# KiCad board ADC_Test.kicad_pcb (continued)
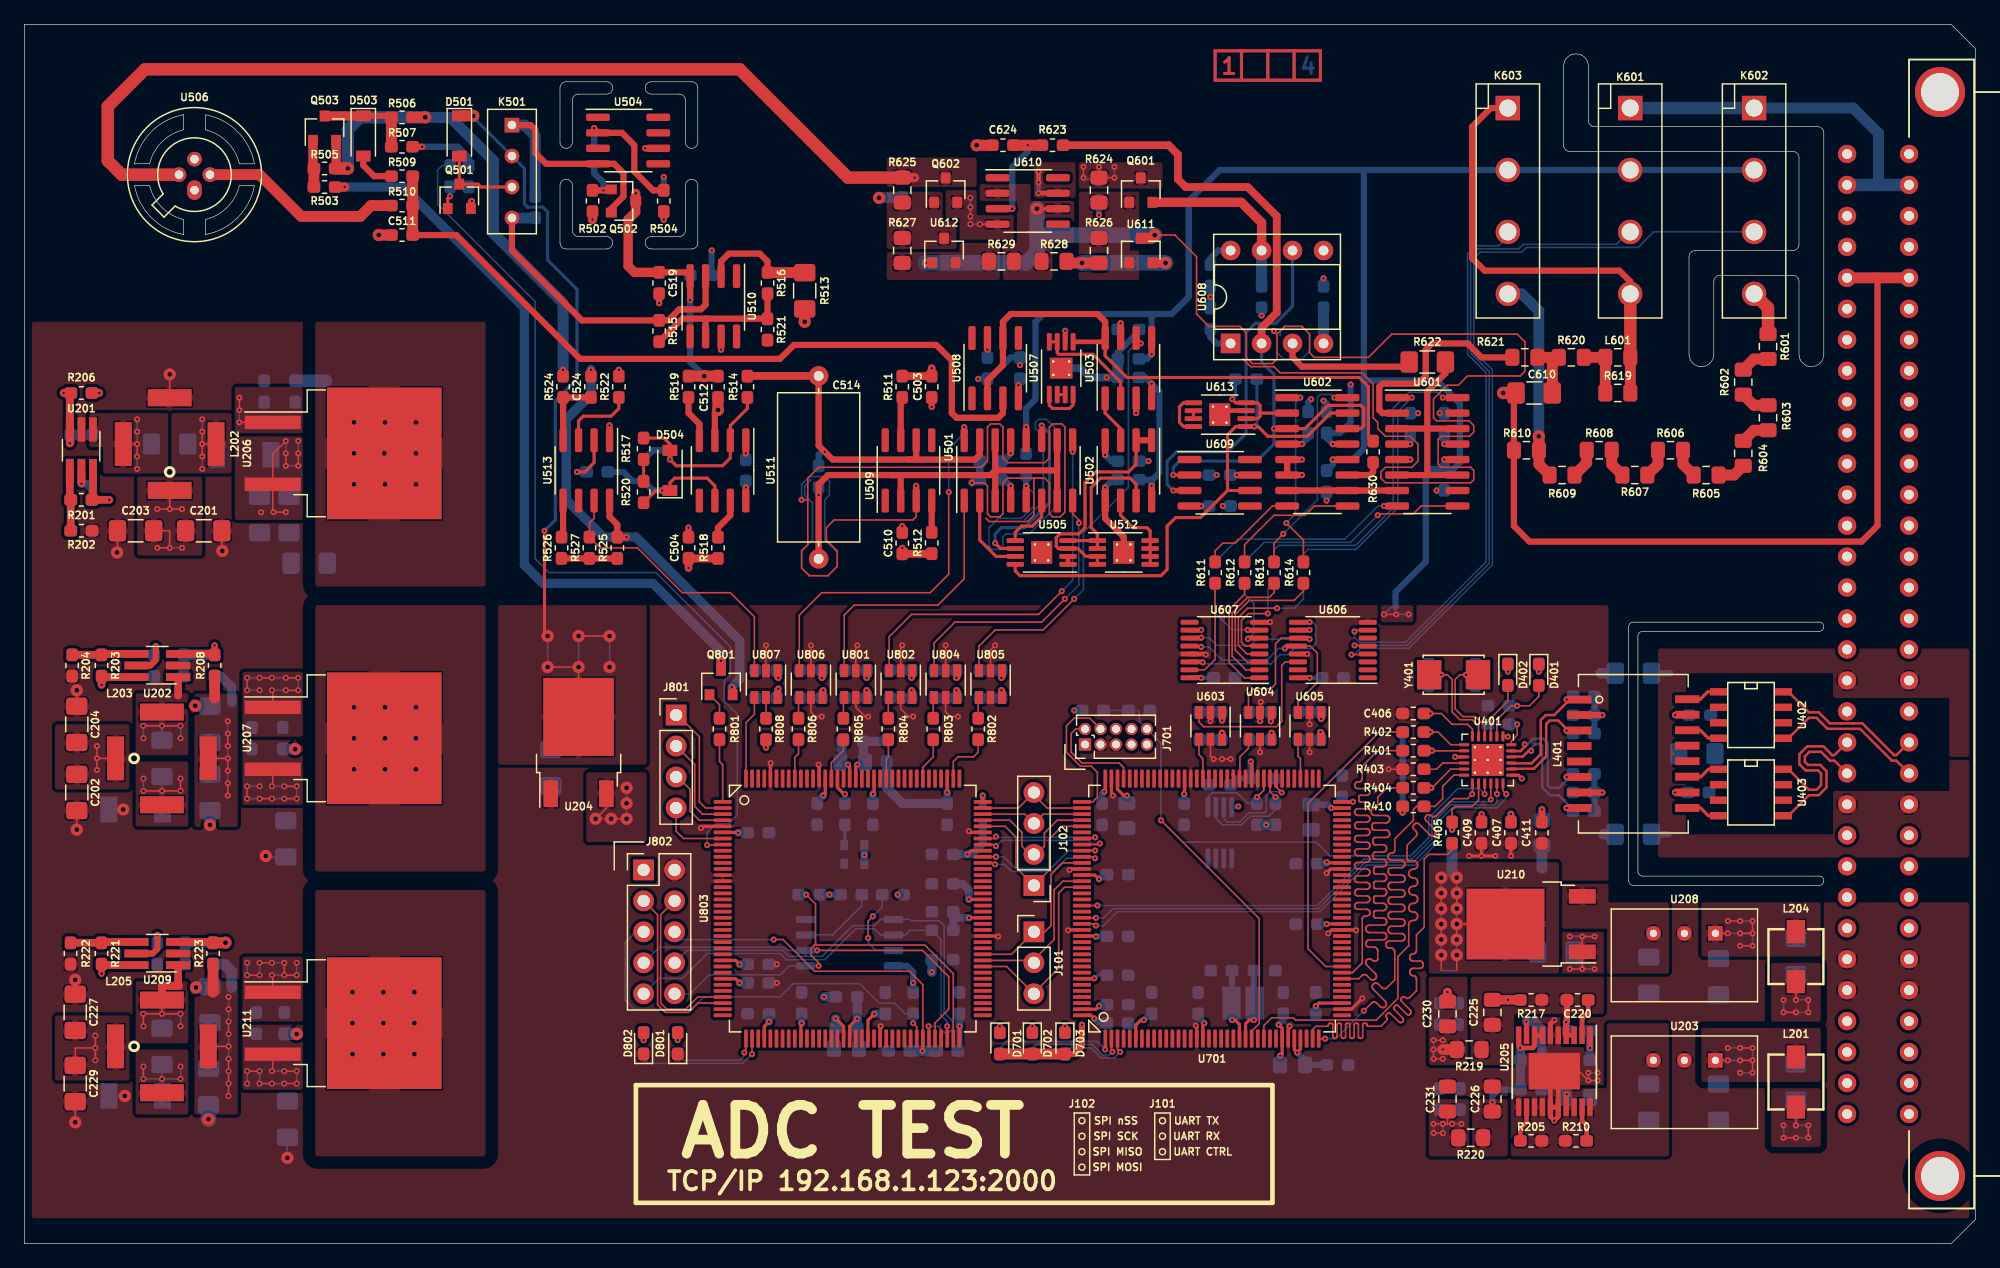
[diagram p0: board, top side]
## Routing (per net, layer and track width the routed paths; a pad name or vN(x,y) marks a point on that pad's centre or on a via; arc(x,y) is an arc through that point) (continued)
Net-(R203-Pad2): length 5.3
  Top w0.635: R204.1 R203.2 6.4,48.37 U202.4
Net-(R205-Pad2): length 3
  Top w0.381: U205.12 123.18,9.96 122.67,9.46 R205.2
Net-(R210-Pad2): length 2.9
  Top w0.381: R210.2 128.11,9.71 127.73,10.09 U205.19
Net-(R211-Pad1): length 4.8
  Top w0.127: U206.1 v1(17.63,67.36) ; v1(17.63,68.37) v1(17.63,69.39)
  Bottom w0.127: v1(17.63,67.36) v1(17.63,68.37)
Net-(R212-Pad1): length 10.8
  Top w0.127: v3(20.3,46.4) v3(19.28,46.4) ; v3(20.3,45.39) 20.36,45.32 U207.1 ; v3(18.27,46.4) v3(18.27,45.39) ; v3(22.46,46.4) v3(21.44,46.4) ; v3(21.44,45.39) v3(22.46,45.39)
  Bottom w0.127: v3(22.46,45.39) v3(22.46,46.4) ; v3(20.3,45.39) v3(21.44,45.39) ; v3(18.27,45.39) v3(19.28,45.39) ; v3(21.44,46.4) v3(20.3,46.4) ; v3(19.28,46.4) v3(18.27,46.4)
Net-(R215-Pad2): length 3.5
  Top w0.381: U205.1 128.38,16.05 v1(128.37,16.05)
  Bottom w0.635: R215.2 R216.2
Net-(R221-Pad2): length 5.4
  Top w0.635: R222.1 R221.2 6.4,24.75 U209.4
Net-(R225-Pad1): length 10.6
  Top w0.127: v3(22.33,22.02) v3(21.31,22.02) v3(21.31,23.03) ; v3(20.3,22.02) 20.36,21.95 U211.1 ; v3(20.3,23.03) v3(19.28,23.03) ; v3(19.28,22.02) v3(18.27,22.02)
  Bottom w0.127: v3(19.28,23.03) v3(19.28,22.02) ; v3(20.3,22.02) v3(21.31,22.02) ; v3(21.31,23.03) v3(20.3,23.03) ; v3(18.27,22.02) v3(18.27,23.03) ; v3(22.33,22.02) v3(22.33,23.03)
Net-(R403-Pad1): length 3.5
  Top w0.127: U401.10 116.31,39.42 115.8,38.91 R403.1
Net-(R412-Pad2): length 2.5
  Top w0.127: v1(122.41,42.59) 122.41,41.7 121.93,41.23 U401.24
  Bottom w0.127: v1(122.41,42.59) R412.2
Net-(R511-Pad2): length 3.6
  Top w0.508: U509.7 71.86,69.28 R511.2
Net-(R512-Pad1): length 2.6
  Top w0.508: U509.4 R512.1
Net-(R513-Pad1): length 9.5
  Top w0.508: U510.2 57.13,80.56 57.76,81.2 60.3,81.2 60.94,80.56 R516.2
  Top w0.889: R516.2 60.96,79.64 R513.1
Net-(R515-Pad1): length 13.2
  Top w0.508: U510.6 55.86,75.86 ; 55.86,75.86 60.92,75.86 R521.2 R516.1 ; 55.86,75.86 53.95,75.86 52.06,73.97 R515.1
Net-(R517-Pad1): length 1.8
  Top w0.254: R517.1 R520.2
Net-(R518-Pad2): length 3.4
  Top w0.508: R518.2 56.87,58.72 57.89,59.74 57.89,60.94
Net-(R519-Pad1): length 3.9
  Top w0.508: U511.4 55.35,67.23 54.46,68.12 R519.1
Net-(R522-Pad1): length 6.2
  Top w0.254: U513.3 45.44,67.48 45.82,67.86 48.11,67.86 48.75,68.5 R522.1
Net-(R523-Pad1): length 4.3
  Top w0.254: v1(45.32,63.29) 45.95,63.29 46.71,64.05 46.71,65.89
  Bottom w0.508: v1(45.32,63.29) R523.1
Net-(R525-Pad2): length 9.1
  Top w0.254: R526.1 R525.2
  Top w0.508: R525.2 R527.1 R526.1
Net-(R526-Pad2): length 3.1
  Top w0.508: R526.2 44.17,58.07 U513.5
Net-(R601-Pad1): length 2.4
  Top w0.889: R601.1 141.82,72.55 R602.2
Net-(R602-Pad1): length 2.4
  Top w0.889: R602.1 141.82,68.76 R603.2
Net-(R603-Pad1): length 2.4
  Top w0.889: R603.1 141.82,66.71 140.95,65.84
Net-(R604-Pad1): length 2.3
  Top w0.889: R604.1 140.19,63.04 R605.2
Net-(R605-Pad1): length 2.4
  Top w0.889: R605.1 136,63.91 R606.2
Net-(R606-Pad1): length 2.4
  Top w0.889: R606.1 133.95,63.91 R607.2
Net-(R607-Pad1): length 2.4
  Top w0.889: R607.1 130.16,63.91 R608.2
Net-(R608-Pad1): length 2.4
  Top w0.889: R608.1 128.11,64.04 R609.2
Net-(R611-Pad2): length 8.7
  Top w0.127: U607.15 96.78,47.06 97.64,47.92 R611.2
Net-(R612-Pad2): length 10
  Top w0.127: R612.2 100.05,53.26 98.78,51.99 98.78,47.67 100.04,46.41 U607.1
Net-(R613-Pad2): length 11.1
  Top w0.127: R613.2 102.47,53.39 102.09,53 100.31,53 99.04,51.73 99.04,48.18 100.15,47.06 U607.2
Net-(R614-Pad2): length 12.4
  Top w0.127: R614.2 104.88,53.51 104.12,52.75 100.43,52.75 99.29,51.61 99.29,48.69 100.31,47.67 101.22,47.67 U607.3
Net-(R615-Pad2): length 11.5
  Top w0.127: U607.4 100.25,48.36 99.54,49.07 99.54,51.35 100.31,52.12 v1(102.72,52.12)
  Bottom w0.127: R615.2 104.88,52.88 104.12,52.12 v1(102.72,52.12)
Net-(R616-Pad2): length 8.5
  Top w0.127: U607.5 100.11,49.01 99.8,49.32 99.8,51.1 100.37,51.68 v1(101.96,51.68)
  Bottom w0.127: v1(101.96,51.68) 101.96,53.65 R616.2
Net-(R617-Pad2): length 6
  Top w0.381: U607.6 100.39,49.66 v1(100.33,49.6)
  Bottom w0.127: v1(100.33,49.6) 100.81,50.09 100.81,52.5 100.05,53.26 R617.2
Net-(R618-Pad2): length 6.6
  Top w0.381: U607.7 100.33,50.31 v1(100.31,50.34)
  Bottom w0.127: R618.2 97.64,51.73 99.04,50.34 v1(100.31,50.34)
Net-(R621-Pad1): length 17.6
  Top w0.508: U601.2 111.36,68.12 111.1,68.37 111.1,70.28 111.36,70.53 114.28,70.53 114.91,71.17 114.91,73.33 115.42,73.83 118.34,73.83 119.48,72.69 R621.1
Net-(R622-Pad1): length 11.2
  Top w0.508: U608.3 103.99,72.69 104.75,71.93 113.17,71.93 R622.1
Net-(R622-Pad2): length 19.8
  Top w0.508: 115.04,66.85 115.04,63.04 ; 115.04,66.85 U601.3 ; 115.04,66.85 U601.14 ; 115.04,66.85 115.04,69.9 116.53,71.38 R622.2 ; 115.04,63.04 U601.6 ; 115.04,63.04 U601.11
Net-(R623-Pad2): length 62.9
  Top w0.254: v1(102.47,66.85) U602.3 105.01,66.85 106.91,68.75 109.58,68.75 109.83,68.5 109.83,67.1 109.58,66.85 U602.14 ; U609.2 v1(94.21,63.04)
  Top w0.635: R623.2 93.83,90.09 94.59,89.33 94.59,87.3 95.23,86.66 100.31,86.66 102.69,84.27 102.69,76.35 101.45,75.1 U608.2
  Bottom w0.254: v1(94.21,63.04) 94.21,63.67 94.72,64.18 101.07,64.18 102.47,65.58 v1(102.47,66.85) 102.47,71.29 101.45,72.31 U608.2
Net-(R626-Pad1): length 10.7
  Top w0.762: U611.2 93.56,80.45 v2(93.58,80.44)
  Top w0.889: R628.1 85.59,80.43 v2(86.73,80.43) R626.1
  Bottom w1.27: v2(86.73,80.43) 86.74,80.44 v2(93.58,80.44)
Net-(R628-Pad2): length 140.5
  Top w0.127: 102.72,74.59 102.72,72.56 102.34,72.18 100.69,72.18 100.18,72.69 100.18,74.72 99.67,75.23 97.13,75.23 96.12,76.25 96.12,80.94 94.34,82.72 v2(92.69,82.72) ; 102.72,74.59 v1(102.47,74.85) ; 102.72,74.59 103.35,75.23 104.75,75.23 105.39,74.59 105.39,73.07 105.77,72.69 110.21,72.69 112.12,74.59 122.41,74.59 123.04,73.96 123.04,71.55 122.66,71.17 118.34,71.17 117.58,70.4 116.67,70.4 115.55,69.28 115.55,67.74 115.8,67.48 118.47,67.48 118.85,67.1 118.85,66.56 118.5,66.21 116.19,66.21 115.93,65.96 115.93,63.93 116.18,63.67 118.59,63.67 118.85,63.42 118.85,62.66 118.59,62.4 111.61,62.4 111.23,62.78 111.23,63.29 111.61,63.67 113.77,63.67 114.28,64.18 114.28,65.57 113.64,66.21 111.61,66.21 110.97,66.85 110.97,67.36 110.59,67.74 110.59,70.53 109.71,71.42 102.97,71.42 102.47,71.93 100.56,71.93 99.93,72.56
  Top w0.254: U610.6 v2(83.03,84.88)
  Top w0.635: U612.1 73.91,80.45 v3(73.89,80.44)
  Top w0.889: U611.3 92.42,82.45 v2(92.69,82.72)
  Bottom w0.127: v1(102.47,74.85) 102.72,74.59 102.72,73.07 103.23,72.56 104.75,72.56 105.39,73.2 105.39,74.59 104.75,75.23 103.35,75.23 102.97,74.85 102.97,74.47
  Bottom w0.889: 83.03,82.72 v2(83.03,84.88)
  Bottom w1.27: v2(92.69,82.72) 83.03,82.72 ; v2(83.03,84.88) 83.03,81.33 82.15,80.44 v3(73.89,80.44)
Net-(R630-Pad2): length 3
  Top w0.508: U602.11 110.34,63.04 110.59,63.29 R630.2
Net-(R703-Pad1): length 2.2
  Top w0.254: v1(87.73,21.76) 87.7,21.73 U701.138
  Bottom w0.254: v1(87.73,21.76) 87.99,22.02 R703.1
Net-(R704-Pad1): length 10.5
  Top w0.127: U701.1 88.64,15.93 v1(88.62,15.92)
  Bottom w0.127: R704.1 79.99,16.05 80.53,16.59 87.96,16.59 v1(88.62,15.92)
Net-(R705-Pad1): length 8.8
  Top w0.127: v1(89.22,15.73) 89.14,15.82 U701.2
  Bottom w0.127: R705.1 82.65,16.05 82.94,16.33 87.56,16.33 88.41,15.48 88.97,15.48 v1(89.22,15.73)
Net-(R706-Pad1): length 6.5
  Top w0.127: v1(89.85,15.72) 89.64,15.93 U701.3
  Bottom w0.127: v1(89.85,15.72) 89.36,15.23 88.3,15.23 87.48,16.05 85.81,16.05 R706.1
Net-(R801-Pad2): length 5.2
  Top w0.127: U803.1 57.26,39.28 57,39.54 R801.2
Net-(R802-Pad1): length 4.8
  Top w0.127: U803.110 76.17,39.54 76.56,39.92 77.83,39.92 78.21,40.31 R802.1
Net-(R803-Pad1): length 3.5
  Top w0.127: R803.1 74.53,39.92 73.67,39.07 U803.115
Net-(R804-Pad1): length 3.3
  Top w0.127: R804.1 70.84,39.92 70.67,39.75 U803.121
Net-(R805-Pad1): length 3.6
  Top w0.127: R805.1 67.16,40.43 66.17,39.44 U803.130
Net-(R806-Pad1): length 3.3
  Top w0.127: U803.136 63.17,39.87 63.48,40.18 R806.1
Net-(R807-Pad1): length 7.3
  Top w0.127: v1(59.03,15.67) 59.17,15.81 U803.37
  Bottom w0.127: R807.1 54.09,15.03 58.65,15.03 59.03,15.41 v1(59.03,15.67)
Net-(R808-Pad2): length 1.7
  Top w0.127: R808.2 U807.5
Net-(R809-Pad1): length 11
  Top w0.127: v1(59.67,15.54) 59.67,16.81 U803.38
  Bottom w0.127: R809.1 50.78,15.16 51.16,14.78 58.91,14.78 v1(59.67,15.54)
Net-(R811-Pad2): length 1.7
  Bottom w0.254: R811.2 67.29,32.76 U808.3
Net-(R813-Pad1): length 6.5
  Bottom w0.127: R813.1 68.67,27.72 66.27,25.32 U809.3
Net-(R814-Pad1): length 6.8
  Top w0.127: v1(69.19,25.06) 69.19,26.46 v1(69.57,26.84)
  Bottom w0.127: U809.7 69.83,24.05 69.19,24.68 v1(69.19,25.06) ; v1(69.57,26.84) 70.35,27.62 R814.1
Net-(U501-Pad2): length 6.7
  Top w0.254: U501.2 78.34,57.7 79.68,56.36 U505.7
Net-(U501-Pad6): length 4.7
  Top w0.254: U505.5 81.25,58.34 81.76,58.85 82.65,58.85 83.42,59.61 U501.6
Net-(U501-Pad11): length 15.9
  Top w0.254: v1(79.61,57.45) 80.04,57.01 U505.6 ; v1(83.42,67.1) U501.11
  Bottom w0.254: v1(83.42,67.1) 84.05,66.47 84.05,60.75 82.02,58.72 80.11,58.72 79.61,58.21 v1(79.61,57.45)
Net-(U502-Pad3): length 4
  Top w0.254: U502.3 89.89,66.85 88.62,68.12 U503.1
Net-(U502-Pad6): length 6.9
  Top w0.254: U502.6 89.89,59.74 90.91,58.72 92.05,58.72 92.31,58.46 U512.8 92.31,55.71
Net-(U503-Pad2): length 9.1
  Top w0.254: U503.2 89.89,70.66 87.61,72.94 84.81,72.94 84.69,73.06 U507.7 U507.8
Net-(U505-Pad1): length 0.7
  Top w0.381: 85.58,55.71 U505.2
Net-(U507-Pad1): length 3.9
  Top w0.254: U507.4 85.99,68.79 85.7,68.5 84.31,68.5 84.04,68.76 U507.1
Net-(U507-Pad2): length 0.7
  Top w0.254: U507.2 U507.3
Net-(U601-Pad7): length 9
  Top w0.508: U601.7 U602.10 U602.7
Net-(U603-Pad3): length 13.9
  Top w0.127: U603.3 96.31,42.78 96.69,42.4 102.66,42.4 103.1,42.84 103.1,47.42 103.4,47.71 U606.14
Net-(U604-Pad3): length 20.7
  Top w0.127: 100.37,43.56 100.37,45.07 100.81,45.51 102.21,45.51 102.59,45.89 102.59,49.19 103.06,49.66 U606.11
  Top w0.381: v1(105.39,49.58) 105.3,49.66 U606.11 ; U607.11 96.46,49.66 v1(96.5,49.7)
  Bottom w0.127: v1(96.5,49.7) 97.13,49.7 97.77,49.07 100.56,49.07 101.07,49.58 v1(105.39,49.58)
Net-(U605-Pad3): length 17.2
  Top w0.127: U606.12 105.44,49.01 106.02,48.43 106.02,46.02 104.44,44.44 U605.3 ; U607.12 96.43,49.01 v1(96.5,48.94)
  Top w0.381: U606.12 103.55,49.01 v1(103.35,48.81)
  Bottom w0.127: v1(103.35,48.81) 102.85,48.81 101.9,47.87 98.21,47.87 97.13,48.94 v1(96.5,48.94)
Net-(U606-Pad9): length 14.2
  Top w0.381: v1(96.62,47.67) 96.58,47.71 U607.14 ; v1(105.39,50.97) 105.38,50.96 U606.9
  Bottom w0.127: v1(105.39,50.97) 105.64,50.97 105.9,50.72 105.9,49.19 105.5,48.8 104.11,48.8 103.61,48.31 102.97,48.31 102.21,47.54 96.75,47.54 v1(96.62,47.67)
Net-(U608-Pad6): length 28.9
  Top w0.381: U609.3 v1(94.21,61.77)
  Bottom w0.254: U608.6 103.99,76.88 102.59,75.48 100.94,75.48 100.18,74.72 100.18,66.47 98.66,64.94 94.47,64.94 93.71,64.18 93.71,62.27 v1(94.21,61.77)
Net-(U613-Pad5): length 3.8
  Top w0.254: U613.8 95.06,67.02 94.72,67.36 94.72,68.65 95.04,68.97 U613.5
Net-(U613-Pad6): length 0.7
  Top w0.254: U613.7 U613.6

## Copper pours and planes (outline as drawn; the poured copper is in the pictures)
+1V2 on Top: 118.47,7.16 115.17,7.16 115.17,11.86 118.47,11.86
+1V2 on Bottom: 118.47,7.16 115.17,7.16 115.17,11.86 118.47,11.86
+1V2 on Power: 66.53,19.67 64.94,19.67 64.94,22.53 62.84,22.53 62.84,16.87 58.27,16.87 58.27,12.87 114.02,12.87 114.02,14.4 118.47,14.4 118.47,8.81 114.02,8.81 114.02,11.35 55.6,11.35 55.6,18.33 59.41,18.33 59.41,22.53 56.36,22.53 56.36,26.46 73.89,26.46 73.89,39.03 76.18,39.03 76.18,34.97 75.29,34.97 75.29,30.4 77.96,30.4 77.96,27.73 76.88,27.73 76.88,29 75.29,29 75.29,24.05 74.53,24.05 74.53,22.91 66.53,22.91
+3.3VF on Top: 125.83,22.14 115.17,22.14 115.17,31.29 125.83,31.29
+3.3VF on Bottom: 125.83,22.14 115.17,22.14 115.17,31.29 125.83,31.29
+3.3VF on Power: 118.09,33.41 125.83,33.41 125.83,22.14 108.82,22.14 108.82,15.75 85.19,15.75 85.19,45.89 93.7,45.89 93.7,42.34 109.32,42.34 109.32,48.56 118.09,48.56
+3.3VP on Top: 118.34,14.65 115.17,14.65 115.17,21.89 118.34,21.89
+3.3VP on Bottom: 118.34,14.91 115.17,14.91 115.17,18.84 118.34,18.84
+3.3VP on Power: 84.94,15.54 109.07,15.54 109.07,21.89 118.47,21.89 118.47,14.52 113.9,14.52 113.9,13 51.28,13 51.28,18.72 49,18.72 49,32.43 51.54,32.43 51.54,45.89 84.94,45.89
+5VF on Top: 113.9,50.97 111.23,50.97 111.23,52.37 113.9,52.37
+5VF on Top: 51.03,39.29 38.84,39.29 38.84,52.37 51.03,52.37
+5VF on Bottom: 113.9,50.97 111.23,50.97 111.23,52.37 113.9,52.37
+5VF on Bottom: 51.03,39.29 38.84,39.29 38.84,52.37 51.03,52.37
+5VF on Power: 114.28,48.81 109.07,48.81 109.07,42.59 93.96,42.59 93.96,46.15 51.03,46.15 51.03,39.29 41.63,39.29 41.63,52.37 114.28,52.37
+18VF on Top: 93.32,86.53 86.46,86.53 86.46,88.69 93.32,88.69
+18VF on Top: 37.82,53.89 23.85,53.89 23.85,75.61 37.82,75.61
+18VF on Bottom: 89.77,86.53 86.46,86.53 86.46,88.69 89.77,88.69
+18VF on Bottom: 37.82,53.89 23.85,53.89 23.85,75.61 37.82,75.61
+18VF on Power: 107.42,94.28 107.42,97.96 114.66,97.96 114.66,81.45 118.72,77.39 118.72,53.89 41.63,53.89 41.63,58.72 69.7,58.72 69.7,56.18 76.18,56.18 76.18,59.48 114.78,59.48 114.78,67.23 91.04,67.23 91.04,77.39 80.37,77.39 80.37,67.23 58.4,67.23 58.4,78.28 42.9,78.28 42.9,67.23 35.03,67.23 35.03,53.89 23.85,53.89 23.85,93.39 13.44,93.39 13.44,97.96 96.5,97.96 96.5,94.28 ; 4 cut-outs
+24VF on Top: 147.3,7.92 143.23,7.92 143.23,12.75 147.3,12.75
+24VF on Top: 147.3,18.21 143.23,18.21 143.23,23.03 147.3,23.03
+24VF on Top: 14.58,56.43 9.25,56.43 9.25,62.91 14.58,62.91
+24VF on Top: 8.61,37.26 2.52,37.26 2.52,42.59 8.61,42.59
+24VF on Top: 8.61,13.38 2.52,13.38 2.52,18.72 8.61,18.72
+24VF on Bottom: 147.3,7.92 143.23,7.92 143.23,12.75 147.3,12.75
+24VF on Bottom: 147.3,18.21 143.23,18.21 143.23,23.03 147.3,23.03
+24VF on Bottom: 14.58,56.43 9.25,56.43 9.25,62.28 14.58,62.28
+24VF on Bottom: 8.61,37.26 2.52,37.26 2.52,42.59 8.61,42.59
+24VF on Bottom: 8.61,13.38 2.52,13.38 2.52,18.72 8.61,18.72
+24VF on Power: 13.19,5.38 142.98,5.38 142.98,22.78 147.55,22.78 147.55,14.52 159.49,14.52 159.49,2.08 0.61,2.08 0.61,75.61 13.19,75.61
-14VF on Top: 22.84,12.62 17.88,12.62 17.88,17.95 22.84,17.95
-14VF on Bottom: 22.84,10.59 17.88,10.59 17.88,17.95 22.84,17.95
-14VF on Power: 50.9,83.61 45.44,83.61 45.44,87.3 50.9,87.3
-14VF on Power: 90.53,66.72 114.28,66.72 114.28,59.99 75.67,59.99 75.67,56.69 70.21,56.69 70.21,59.23 41.12,59.23 41.12,7.16 18.01,7.16 18.01,16.94 23.34,16.94 23.34,12.11 35.54,12.11 35.54,66.72 43.41,66.72 43.41,77.77 57.89,77.77 57.89,66.72 80.88,66.72 80.88,76.88 90.53,76.88
-18VF on Top: 78.08,86.66 70.72,86.66 70.72,89.07 78.08,89.07
-18VF on Top: 22.84,35.99 17.88,35.99 17.88,41.32 22.84,41.32
-18VF on Bottom: 78.08,86.66 70.72,86.66 70.72,89.07 78.08,89.07
-18VF on Bottom: 22.84,33.7 17.88,33.7 17.88,41.32 22.84,41.32
-18VF on Power: 22.84,30.53 17.88,30.53 17.88,41.32 22.84,41.32
AGNDF on Top: 40.11,52.37 129.9,52.37 129.9,27.99 159.49,27.99 159.49,2.08 0.61,2.08 0.61,75.61 40.11,75.61
AGNDF on Bottom: 40.11,52.37 129.9,52.37 129.9,27.99 159.49,27.99 159.49,2.08 0.61,2.08 0.61,75.61 40.11,75.61
AGNDF on Ground: 96.5,94.28 107.42,94.28 107.42,97.96 114.66,97.96 114.66,81.45 118.72,77.39 118.72,54.53 129.9,54.53 129.9,27.99 159.49,27.99 159.49,15.03 147.93,15.03 147.93,5.89 0.61,5.89 0.61,97.96 96.5,97.96 ; 5 cut-outs
VCC on Top: 86.21,85.77 82.78,85.77 82.78,88.69 86.21,88.69
VCC on Bottom: 86.21,85.77 82.78,85.77 82.78,88.69 86.21,88.69
VCC on Power: 90.4,86.41 90.4,88.69 103.35,88.69 103.35,80.31 98.02,80.31 98.02,85.01 82.78,85.01 82.78,88.69 85.96,88.69 85.96,86.41
VCCQ on Power: 129.77,33.7 118.34,33.7 118.34,48.56 129.77,48.56
VDD on Top: 78.08,86.41 78.08,84.37 81.13,84.37 81.13,82.34 76.69,82.34 76.69,84.12 75.54,84.12 75.54,86.41
VDD on Bottom: 78.08,86.41 78.08,84.37 81.13,84.37 81.13,82.34 76.69,82.34 76.69,84.12 75.54,84.12 75.54,86.41
VDD on Power: 78.08,84.75 97.77,84.75 97.77,80.06 108.05,80.06 108.05,72.56 105.13,72.56 105.13,77.13 95.23,77.13 95.23,81.71 75.54,81.71 75.54,86.41 78.08,86.41
Earth on Top: 159.49,39.92 157.84,39.92 157.84,44.75 148.31,44.75 148.31,46.78 136.25,46.78 136.25,33.57 148.31,33.57 148.31,37.13 157.84,37.13 157.84,39.67 159.49,39.67 159.49,31.67 133.96,31.67 133.96,48.81 159.49,48.81
Earth on Bottom: 159.49,39.92 157.84,39.92 157.84,44.75 148.31,44.75 148.31,46.78 136.25,46.78 136.25,33.57 148.31,33.57 148.31,37.13 157.84,37.13 157.84,39.67 159.49,39.67 159.49,31.67 133.96,31.67 133.96,48.81 159.49,48.81
Earth on Ground: 159.49,39.92 157.84,39.92 157.84,44.75 148.31,44.75 148.31,46.78 136.25,46.78 136.25,33.57 148.31,33.57 148.31,37.13 157.84,37.13 157.84,39.67 159.49,39.67 159.49,31.67 133.96,31.67 133.96,48.81 159.49,48.81
Earth on Power: 159.49,39.92 157.84,39.92 157.84,44.75 148.31,44.75 148.31,46.78 136.25,46.78 136.25,33.57 148.31,33.57 148.31,37.13 157.84,37.13 157.84,39.67 159.49,39.67 159.49,31.67 133.96,31.67 133.96,48.81 159.49,48.81
Net-(C206-Pad1) on Top: 147.3,13.25 137.52,13.25 137.52,17.7 147.3,17.7
Net-(C206-Pad1) on Bottom: 142.09,11.73 137.52,11.73 137.52,17.7 142.09,17.7
Net-(C209-Pad1) on Top: 17,63.17 12.04,63.17 12.04,68.12 17,68.12
Net-(C209-Pad1) on Bottom: 17,63.17 12.04,63.17 12.04,68.12 17,68.12
Net-(C209-Pad2) on Top: 11.79,63.17 6.45,63.17 6.45,65.32 5.31,65.32 5.31,68.12 11.79,68.12
Net-(C209-Pad2) on Bottom: 11.79,63.17 6.45,63.17 6.45,68.12 11.79,68.12
Net-(C210-Pad1) on Top: 13.44,34.21 9.12,34.21 9.12,39.54 13.44,39.54
Net-(C210-Pad1) on Bottom: 13.44,34.21 9.12,34.21 9.12,39.54 13.44,39.54
Net-(C210-Pad2) on Top: 13.44,40.05 9.12,40.05 9.12,45.13 13.44,45.13
Net-(C210-Pad2) on Bottom: 13.44,40.05 9.12,40.05 9.12,45.13 13.44,45.13
Net-(C211-Pad1) on Top: 134.85,7.16 121.9,7.16 121.9,12.75 129.77,12.75 129.77,18.08 134.85,18.08
Net-(C211-Pad1) on Top: 51.03,32.94 46.08,32.94 46.08,38.65 51.03,38.65
Net-(C211-Pad1) on Bottom: 51.03,32.94 46.08,32.94 46.08,38.65 51.03,38.65
Net-(C211-Pad1) on Bottom: 134.85,11.73 130.15,11.73 130.15,17.57 134.85,17.57
Net-(C211-Pad1) on Power: 51.03,32.94 48.49,32.94 48.49,18.21 50.78,18.21 50.78,12.49 55.22,12.49 55.22,10.71 113.64,10.71 113.64,8.17 122.02,8.17 122.02,17.06 134.72,17.06 134.72,5.89 41.63,5.89 41.63,38.65 51.03,38.65
Net-(C214-Pad1) on Top: 22.84,59.36 17.25,59.36 17.25,66.21 22.84,66.21
Net-(C214-Pad1) on Bottom: 22.84,59.36 17.25,59.36 17.25,66.21 22.84,66.21
Net-(C215-Pad1) on Top: 17.5,34.18 13.95,34.18 13.95,45.11 17.5,45.11
Net-(C215-Pad1) on Top: 37.82,30.53 23.85,30.53 23.85,52.37 37.82,52.37
Net-(C215-Pad1) on Bottom: 17.5,34.18 13.95,34.18 13.95,45.11 17.5,45.11
Net-(C215-Pad1) on Bottom: 37.82,30.53 23.85,30.53 23.85,52.37 37.82,52.37
Net-(C215-Pad1) on Power: 34.27,26.46 13.95,26.46 13.95,45.13 17.5,45.13 17.5,30.27 24.87,30.27 24.87,46.91 34.27,46.91
Net-(C220-Pad1) on Top: 129.52,18.84 122.15,18.84 122.15,14.65 118.59,14.65 118.59,21.89 129.52,21.89
Net-(C221-Pad1) on Top: 121.64,7.16 118.72,7.16 118.72,11.86 121.64,11.86
Net-(C228-Pad1) on Top: 147.3,23.54 137.52,23.54 137.52,27.99 147.3,27.99
Net-(C228-Pad1) on Bottom: 142.09,22.02 137.52,22.02 137.52,27.99 142.09,27.99
Net-(C234-Pad1) on Top: 129.9,27.99 134.85,27.99 134.85,22.14 129.77,22.14 129.77,25.83 126.09,25.83 126.09,29.51 129.9,29.51
Net-(C234-Pad1) on Bottom: 134.85,22.14 130.15,22.14 130.15,27.99 134.85,27.99
Net-(C238-Pad1) on Top: 13.44,10.59 9.12,10.59 9.12,15.92 13.44,15.92
Net-(C238-Pad1) on Bottom: 13.44,10.59 9.12,10.59 9.12,15.92 13.44,15.92
Net-(C238-Pad2) on Top: 13.44,16.43 9.12,16.43 9.12,21.51 13.44,21.51
Net-(C238-Pad2) on Bottom: 13.44,16.43 9.12,16.43 9.12,21.51 13.44,21.51
Net-(C242-Pad1) on Top: 17.5,10.59 13.95,10.59 13.95,21.51 17.5,21.51
Net-(C242-Pad1) on Top: 37.82,7.16 23.86,7.16 23.85,29 37.82,29
Net-(C242-Pad1) on Bottom: 17.5,10.59 13.95,10.59 13.95,21.51 17.5,21.51
Net-(C242-Pad1) on Bottom: 37.82,7.16 23.86,7.16 23.85,29 37.82,29
Net-(C242-Pad1) on Power: 34.27,12.62 23.85,12.62 23.85,17.44 17.5,17.44 17.5,10.59 13.95,10.59 13.95,21.51 23.85,21.51 23.85,23.54 34.27,23.54
Net-(C414-Pad1) on Bottom: 139.68,36.11 137.65,36.11 137.65,44.24 139.68,44.24
Net-(Q601-Pad1) on Top: 91.42,83.48 90.66,83.48 90.66,81.45 91.42,81.45 91.42,79.04 86.46,79.04 86.46,86.28 91.42,86.28
Net-(Q602-Pad1) on Top: 75.29,83.87 76.43,83.87 76.43,81.58 70.72,81.58 70.72,86.28 75.29,86.28
Net-(R211-Pad1) on Top: 22.84,66.47 17.25,66.47 17.25,70.28 22.84,70.28
Net-(R211-Pad1) on Bottom: 22.84,66.47 17.25,66.47 17.25,70.28 22.84,70.28
Net-(R212-Pad1) on Top: 22.84,41.58 17.88,41.58 17.88,46.91 22.84,46.91
Net-(R212-Pad1) on Bottom: 22.84,41.58 17.88,41.58 17.88,46.91 22.84,46.91
Net-(R225-Pad1) on Top: 22.84,18.21 17.88,18.21 17.88,23.54 22.84,23.54
Net-(R225-Pad1) on Bottom: 22.84,18.21 17.88,18.21 17.88,23.54 22.84,23.54
Net-(R627-Pad1) on Top: 79.99,79.04 70.72,79.04 70.72,81.33 76.69,81.33 76.69,82.09 79.99,82.09
Net-(R628-Pad2) on Top: 82.53,85.52 86.08,85.52 86.08,82.09 84.31,82.09 84.31,79.04 80.24,79.04 80.24,82.09 81.38,82.09 81.38,85.52 78.34,85.52 78.34,86.91 82.53,86.91

Small or netless copper shapes (teardrops, artwork), in the pictures only: 2 on Top, 2 on Bottom

## Text on the board
Bottom: 4
B.Silkscreen: RX+ | RX- | TX+ | TX- | GND | 24V | V+ | V-
Top: 1
F.Silkscreen: J102 | SPI nSS | SPI SCK | SPI MISO | SPI MOSI | J101 | UART TX | UART RX | UART CTRL | TCP/IP 192.168.1.123:2000 | ADC TEST
Ground: 2
Power: 3
